# Altium PCB InterfaceS_V3_1.PcbDoc
Units mil, origin at the board's own origin, x right, y up, seen from the top; angles counter-clockwise.
Board outline 7087 x 1967 mil, 2 copper layers (Top Layer, Bottom Layer); 125 components, 95 nets, 365 pads, 41 vias.
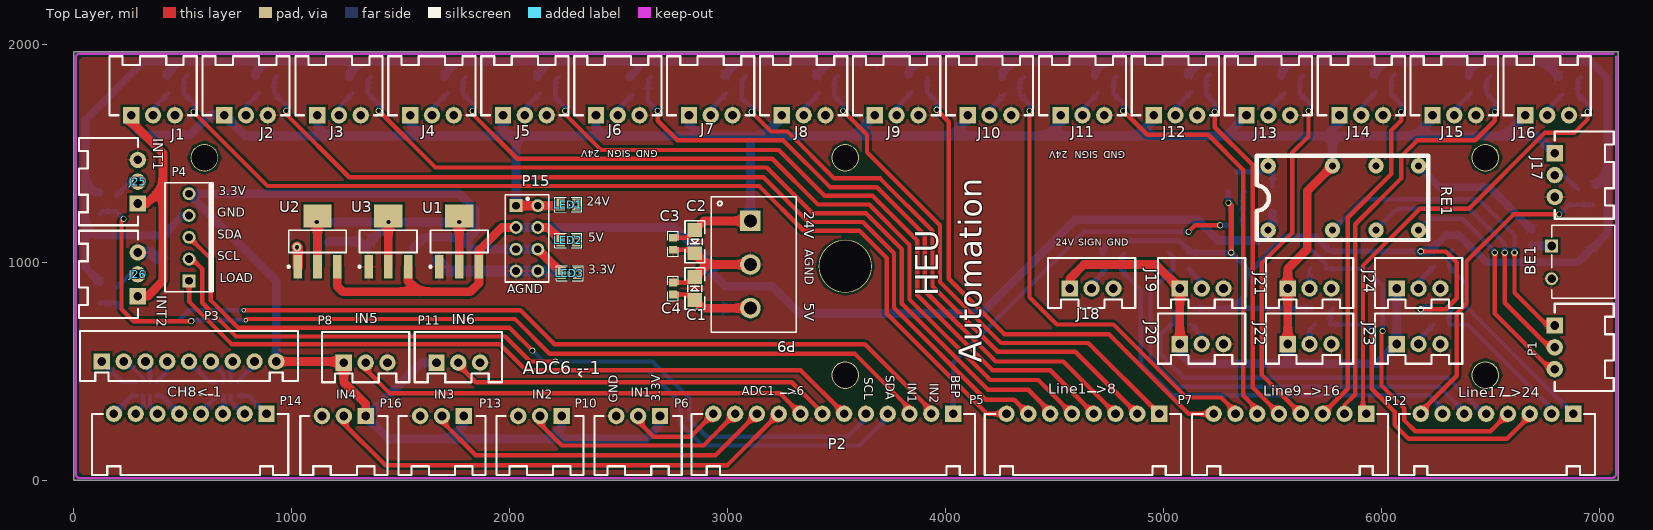
[diagram p0: Top Layer view]
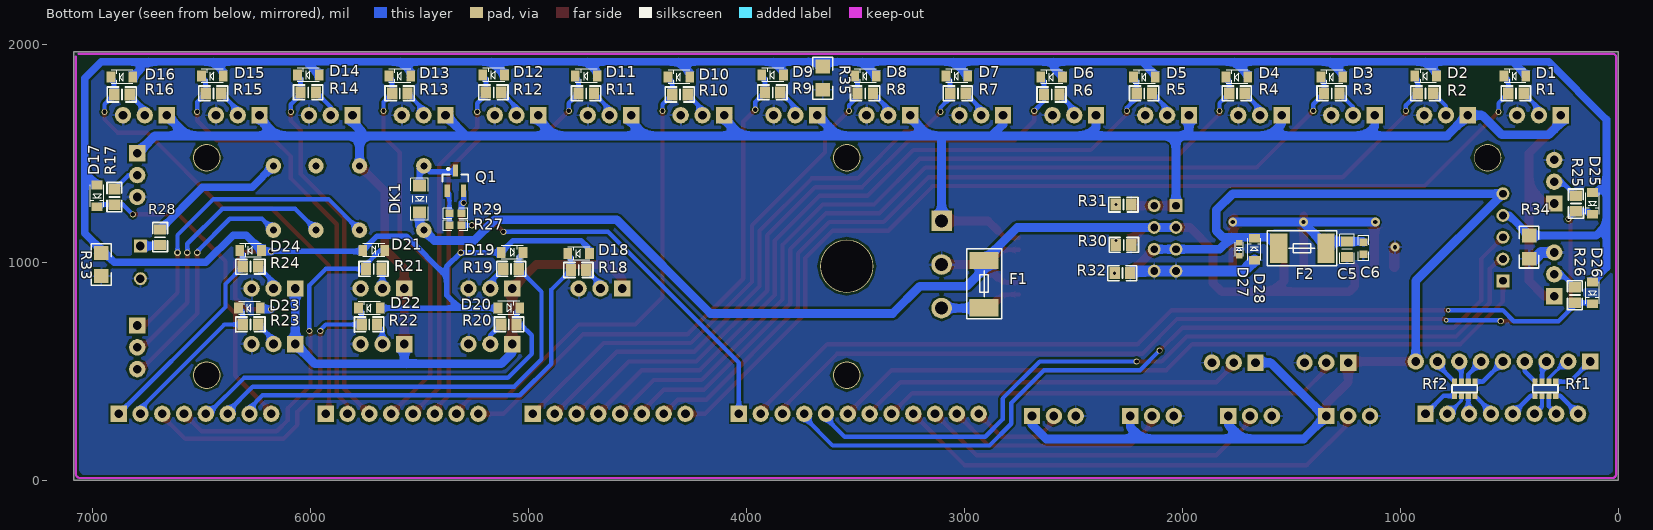
[diagram p1: Bottom Layer view, seen from below]
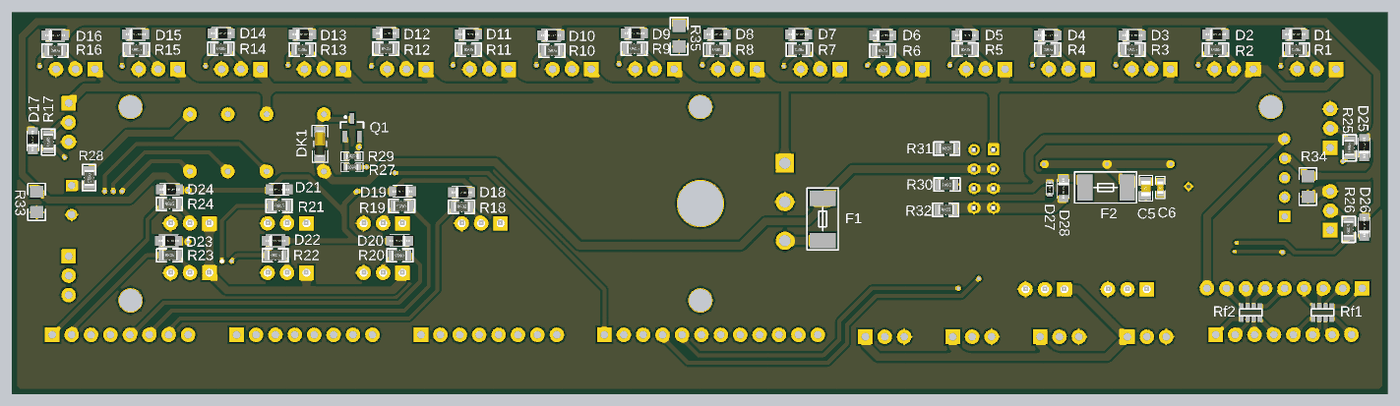
[diagram p2: 3D render of the assembled board from below, using the file's embedded part models]

## Layer stack, top to bottom
Top Solder: solder mask 0.4, Solder Resist, Dk 3.5
Top Layer: signal copper 1.4
Dielectric 1: dielectric 12.6, FR-4, Dk 4.8
Bottom Layer: signal copper 1.4
Bottom Solder: solder mask 0.4, Solder Resist, Dk 3.5

## Board outline
0,0 7087,0 7087,1967 0,1967

## Design rules (kind name [scope] priority, off if disabled: settings)
Clearance Clearance_RES [All vs HasFootprint('RES_FOUR_0603')] p1: gap=7
Clearance [All] p2: gap=10
HoleSize [All] p1: absolutevalues=TRUE maxlimit=800 minlimit=1 maxpercent=80.000 minpercent=20.000
MinimumSolderMaskSliver [All] p1: minsoldermaskwidth=8
PolygonConnect [All] p1: connectstyle=Relief reliefconductorwidth=10 reliefentries=4 polygonreliefangle="90 Angle" airgapwidth=10
RoutingCorners [All] p1: cornerstyle=45-Degree minsetback=20 maxsetback=500
RoutingVias [All] p1: holewidth=12 width=22 viastyle="Through Hole" minholewidth=11.8 minwidth=20 maxholewidth=28 maxwidth=50
SilkToSilkClearance [All] p1: silktosilkclearance=2
SilkToSolderMaskClearance [IsPad] p1: minsilkscreentomaskgap=2 clearancetoexposedcopper=TRUE
SolderMaskExpansion [All] p1: expansion=4
Width [All] p1: maxlimit=80 minlimit=8 preferedwidth=15
25 further rules are at their usual default settings.

## Components (designator, comment, footprint, x,y, rotation, side; value= is the part's Value field where it differs from the comment)
BE1 "POWER" H2_Push_out3.81 6780,1000 r270 top
C1 "Polar" CAP_1206 2850,880 r90 top
C2 "Polar" CAP_1206 2850,1095 r270 top
C3 "0603" CAP_0603_16*08 2750,1085 r270 top
C4 "0603" CAP_0603_16*08 2750,880 r270 top
C5 "Polar" CAP_0805_20*12 1245,1060 r270 bottom
C6 "0603" CAP_0603_16*08 1170,1065 r90 bottom
D1 "Zener/3.3" SOD323 475,1855 r0 bottom
D2 "Zener/3.3" SOD323 885,1855 r0 bottom
D3 "Zener/3.3" SOD323 1315,1850 r0 bottom
D4 "Zener/3.3" SOD323 1750,1850 r0 bottom
D5 "Zener/3.3" SOD323 2175,1850 r0 bottom
D6 "Zener/3.3" SOD323 2600,1850 r0 bottom
D7 "Zener/3.3" SOD323 3035,1855 r0 bottom
D8 "Zener/3.3" SOD323 3455,1855 r0 bottom
D9 "Zener/3.3" SOD323 3880,1860 r0 bottom
D10 "Zener/3.3" SOD323 4310,1850 r0 bottom
D11 "Zener/3.3" SOD323 4735,1855 r0 bottom
D12 "Zener/3.3" SOD323 5160,1860 r0 bottom
D13 "Zener/3.3" SOD323 5590,1855 r0 bottom
D14 "Zener/3.3" SOD323 6010,1860 r0 bottom
D15 "Zener/3.3" SOD323 6450,1855 r0 bottom
D16 "Zener/3.3" SOD323 6865,1850 r0 bottom
D17 "Zener/3.3" SOD323 6980,1305 r270 bottom
D18 "Zener/3.3" SOD323 4770,1040 r0 bottom
D19 "Zener/3.3" SOD323 5075,1045 r180 bottom
D20 "Zener/3.3" SOD323 5090,790 r180 bottom
D21 "Zener/3.3" SOD323 5710,1055 r180 bottom
D22 "Zener/3.3" SOD323 5730,790 r0 bottom
D23 "Zener/3.3" SOD323 6280,790 r0 bottom
D24 "Zener/3.3" SOD323 6275,1055 r0 bottom
D25 "Zener/3.3" SOD323 120,1270 r270 bottom
D26 "Zener/3.3" SOD323 120,860 r270 bottom
D27 "TVS/3.3V" SOD523 1740,1010 r90 bottom
D28 "Zener/3.3V" SOD323 1670,1060 r90 bottom
DK1 "Diode" Diode1206 5500,1290 r270 bottom
F1 "Fuse 1" FUSE3.5*5.5 2910,900 r90 bottom
F2 "Fuse 1" FUSE3.5*5.5 1450,1065 r0 bottom
J1 "Header 3" P3_OUT 365,1675 r0 top
J2 "Header 3" P3_OUT 791.33,1675 r0 top
J3 "Header 3" P3_OUT 1217.67,1675 r0 top
J4 "Header 3" P3_OUT 1644,1675 r0 top
J5 "Header 3" P3_OUT 2070.33,1675 r0 top
J6 "Header 3" P3_OUT 2496.67,1675 r0 top
J7 "Header 3" P3_OUT 2923,1675 r0 top
J8 "Header 3" P3_OUT 3349.33,1675 r0 top
J9 "Header 3" P3_OUT 3775.67,1675 r0 top
J10 "Header 3" P3_OUT 4202,1675 r0 top
J11 "Header 3" P3_OUT 4628.33,1675 r0 top
J12 "Header 3" P3_OUT 5054.67,1675 r0 top
J13 "Header 3" P3_OUT 5481,1675 r0 top
J14 "Header 3" P3_OUT 5907.33,1675 r0 top
J15 "Header 3" P3_OUT 6333.67,1675 r0 top
J16 "Header 3" P3_OUT 6760,1675 r0 top
J17 "Header 3" P3_OUT 6795,1400 r270 top
J18 "Header 3" P3 4670,880 r0 top
J19 "Header 3" P3 5175,880 r0 top
J20 "Header 3" P3 5175,625 r0 top
J21 "Header 3" P3 5670,880 r0 top
J22 "Header 3" P3 5670,625 r0 top
J23 "Header 3" P3 6170,625 r0 top
J24 "Header 3" P3 6170,880 r0 top
J25 "Header 3" P3_OUT 295,1370 r90 top
J26 "Header 3" P3_OUT 295,945 r90 top
LED1 "Green" LED_0805 2270.43,1265 r0 top
LED2 "Red" LED_0805 2270.43,1100.43 r0 top
LED3 "Blue" LED_0805 2275.43,950 r0 top
P1 "Header 3" P3_OUT 6795,610 r270 top
P2 "Header 12" P12_OUT 3525,525 r180 top
P3 "Header 9" P9 530,545 r0 top
P4 "Header 5" Header5_KF2510 530,1115 r90 top
P5 "Header 8" P8_OUT 4630,305 r180 top
P6 "Header 3" P3_OUT 2590,295 r180 top
P7 "Header 8" P8_OUT 5580,305 r180 top
P8 "Header 3" P3 1340,540 r0 top
P9 "Header 3" HEADER3_HC5.08 3105,1190 r270 top
P10 "Header 3" P3_OUT 2140,295 r180 top
P11 "Header 3" P3 1765,540 r0 top
P12 "Header 8" P8_OUT 6530,305 r180 top
P13 "Header 3" P3_OUT 1690,295 r180 top
P14 "Header 8" P8_OUT 535,305 r180 top
P15 "Header 4X2" HEADER2*4_PIN 2080,1110 r270 top
P16 "Header 3" P3_OUT 1240,295 r180 top
Q1 "NPN" SOT23_J3Y 5335,1375 r90 bottom
R1 "SMD" RES_0805_20*12 470,1775 r180 bottom
R2 "SMD" RES_0805_20*12 885,1775 r180 bottom
R3 "SMD" RES_0805_20*12 1315,1775 r180 bottom
R4 "SMD" RES_0805_20*12 1750,1775 r180 bottom
R5 "SMD" RES_0805_20*12 2175,1775 r180 bottom
R6 "SMD" RES_0805_20*12 2600,1770 r180 bottom
R7 "SMD" RES_0805_20*12 3030,1775 r180 bottom
R8 "SMD" RES_0805_20*12 3455,1775 r180 bottom
R9 "SMD" RES_0805_20*12 3880,1780 r180 bottom
R10 "SMD" RES_0805_20*12 4305,1770 r180 bottom
R11 "SMD" RES_0805_20*12 4735,1775 r180 bottom
R12 "SMD" RES_0805_20*12 5160,1780 r180 bottom
R13 "SMD" RES_0805_20*12 5590,1775 r180 bottom
R14 "SMD" RES_0805_20*12 6010,1780 r180 bottom
R15 "SMD" RES_0805_20*12 6445,1775 r180 bottom
R16 "SMD" RES_0805_20*12 6865,1770 r180 bottom
R17 "SMD" RES_0805_20*12 6900,1300 r90 bottom
R18 "SMD" RES_0805_20*12 4770,965 r180 bottom
R19 "SMD" RES_0805_20*12 5080,970 r0 bottom
R20 "SMD" RES_0805_20*12 5090,715 r0 bottom
R21 "SMD" RES_0805_20*12 5710,970 r180 bottom
R22 "SMD" RES_0805_20*12 5730,715 r180 bottom
R23 "SMD" RES_0805_20*12 6275,715 r180 bottom
R24 "SMD" RES_0805_20*12 6275,980 r180 bottom
R25 "SMD" RES_0805_20*12 195,1270 r90 bottom
R26 "SMD" RES_0805_20*12 200,850 r90 bottom
R27 "SMD" RES_0603_16*08 5335,1170 r0 bottom
R28 "SMD" RES_0805_20*12 6690,1115 r270 bottom
R29 "SMD" RES_0603_16*08 5335,1225 r180 bottom
R30 "SMD" RES_0805_20*12 2270,1080 r0 bottom
R31 "SMD" RES_0805_20*12 2270.43,1265 r180 bottom
R32 "SMD" RES_0805_20*12 2275.43,950 r180 bottom
R33 "SMD" RES_1206 6960,990 r90 bottom
R34 "SMD" RES_1206 410,1070 r90 bottom
R35 "SMD" RES_1206 3650,1845 r90 bottom
RE1 "RELAY_HK19F" Relay_HK19F 5825,1295 r0 top
Rf1 "100R" RES_FOUR_0603 335,420 r90 bottom
Rf2 "100R" RES_FOUR_0603 705,420 r90 bottom
U1 "AMS1117" SOT223_M 1769,1096 r90 top
U2 "AMS1117" SOT223_M 1119,1096 r90 top
U3 "AMS1117" SOT223_M 1444,1096 r90 top

## Footprints (in the part's own frame and the unit in brackets; to place one, negate y for a bottom-side part, rotate by r counter-clockwise, add the part's x,y. Pads: shape width x height; smd on the part's side, far side on the other; paste and mask are expansions set on the pad)
CAP_0603_16*08 [mm]
  rect 0.9x0.9 smd: 1(-0.7,0) 2(0.7,0)
  silkscreen extent -1.45,-0.61 1.42,0.61, body extent -1.31,-0.49 1.29,0.51, height 0.89
CAP_0805_20*12 [mm] "Chip Resistor, Body 2.0x1.2mm, IPC Medium Density"
  rect 1.2x1.4 smd: 1(-0.9,0) 2(0.9,0)
  silkscreen extent -1.72,-0.87 1.67,0.86, body extent -1.5,-0.69 1.5,0.71, height 0.93
CAP_1206 [mm] "Chip Capacitor, Body 3.2x1.6mm, IPC High Density"
  rect 1.6x1.7 smd: 1(-1.35,0) 2(1.35,0)
  silkscreen extent -2.44,-1.14 2.44,1.14, body extent -2.1,-0.87 2.1,0.93, height 0.95
Diode1206 [mil] "1N4148"
  rect 55x60 smd: 1(-62,0) 2(62,0)
  silkscreen extent -96,-41 96,40, body extent -70,-29 68,29, height 56
FUSE3.5*5.5 [mm] "5.6V/2.6A"
  rect 2x3.4 smd: 1(-2.75,0) 2(2.75,0)
  silkscreen extent -4.01,-2.03 4.12,2.03
H2_Push_out3.81 [mm]
  rect 1.5x1.5 hole 1: 1(-1.905,0)
  round 1.5 hole 1: 2(1.905,0)
  silkscreen extent -4.32,0 4.19,7.37
HEADER2*4_PIN [mm] "Connector; Header; 4x2 Position"
  rect 1.5x1.5 hole 0.9: 1(-3.81,-1.27)
  round 1.5 hole 0.9: 2(-1.27,-1.27) 3(1.27,-1.27) 4(3.81,-1.27) 5(-3.81,1.27) 6(-1.27,1.27) 7(1.27,1.27) 8(3.81,1.27)
  silkscreen extent -5.08,-2.54 5.08,2.54, body extent -5.05,-2.47 5.11,2.57, height 8.54
HEADER3_HC5.08 [mm]
  rect 2.4x2.4 hole 1.5: 1(0,0)
  round 2.4 hole 1.5: 2(5.08,0) 3(10.16,0)
  silkscreen extent -2.79,-4.59 12.95,5.32
Header5_KF2510 [mm]
  rect 1.5x1.5 hole 0.9: 1(-5.08,0)
  round 1.5 hole 0.9: 2(-2.54,0) 3(0,0) 4(2.54,0) 5(5.08,0)
  silkscreen extent -6.35,-2.79 6.35,2.79
LED_0805 [mm]
  rect 1x1.4 smd: 1(-0.9,0) 2(0.9,0)
  silkscreen extent -1.57,-0.87 1.57,0.86, body extent -0.94,-0.66 1.09,0.61, height 1.1
P3 [mil]
  rect 75x75 hole 40: 1(-100,0)
  round 75 hole 40: 2(0,0) 3(100,0)
  silkscreen extent -200,-90 200,140, body extent -195,-90 195,136, height 117
P3_OUT [mil]
  rect 75x75 hole 40: 1(-100,0)
  round 75 hole 40: 2(0,0) 3(100,0)
  silkscreen extent -200,0 200,270
P8_OUT [mil]
  rect 75x75 hole 40: 1(-350,0)
  round 75 hole 40: 2(-250,0) 3(-150,0) 4(-50,0) 5(50,0) 6(150,0) 7(250,0) 8(350,0)
  silkscreen extent -450,0 450,280
P9 [mil]
  rect 75x75 hole 40: 1(-400,0)
  round 75 hole 40: 2(-300,0) 3(-200,0) 4(-100,0) 5(0,0) 6(100,0) 7(200,0) 8(300,0) 9(400,0)
  silkscreen extent -500,-90 500,140
P12_OUT [mil]
  rect 75x75 hole 40: 1(-510,220)
  round 75 hole 40: 2(-410,220) 3(-310,220) 4(-210,220) 5(-110,220) 6(-10,220) 7(90,220) 8(190,220) 9(290,220) 10(390,220) 11(490,220) 12(590,220)
  silkscreen extent -610,220 690,500
Relay_HK19F [mm]
  round 1.8 hole 0.8: 1(-8.763,-3.746) 2(-1.27,-3.746) 3(3.81,-3.746) 4(8.763,-3.746) 5(8.763,3.746) 6(3.81,3.746) 7(-1.27,3.746) 8(-8.763,3.746)
  silkscreen extent -10.09,-4.89 9.91,4.91
RES_0603_16*08 [mm]
  rect 0.9x0.9 smd: 1(-0.7,0) 2(0.7,0)
  silkscreen extent -1.45,-0.61 1.42,0.61, body extent -0.77,-0.37 0.83,0.43, height 0.5
RES_0805_20*12 [mm] "Chip Resistor, Body 2.0x1.2mm, IPC Medium Density"
  rect 1.2x1.4 smd: 1(-0.9,0) 2(0.9,0)
  silkscreen extent -1.72,-0.87 1.67,0.86, body extent -0.97,-0.6 1.03,0.66, height 0.68
RES_1206 [mm]
  rect 1.6x1.7 smd: 1(-1.35,0) 2(1.35,0)
  silkscreen extent -2.44,-1.14 2.44,1.14
RES_FOUR_0603 [mil]
  rect 30x23.62 smd: 1(-32.5,47.24) 2(-32.5,15.75) 3(-32.5,-15.75) 4(-32.5,-47.24) 5(32.5,-47.24) 6(32.5,-15.75) 7(32.5,15.75) 8(32.5,47.24)
  silkscreen extent -18,-58 18,58
SOD323 [mil] "Zener Doide"
  rect 40x50 smd: 1(-50,0) 2(50,0)
  silkscreen extent -50,-30 50,31, body extent -51,-26 51,26, height 39
SOD523 [mil]
  rect 25x30 smd: 1(20,0) 2(80,0)
  silkscreen extent 18,-19 82,19, body extent 18,-16 81,16, height 26
SOT23_J3Y [mm] "SOT23, 3-Leads, Body 2.9x1.3mm, Pitch 0.95mm, Lead Span 2.3mm - Reverse Pinning, IPC Low Density"
  rect 1.45x0.6 smd: 1(1.175,0) 2(-1.175,0.95) 3(-1.175,-0.95)
  silkscreen extent -0.1,-1.5 1.47,1.5
SOT223_M [mm] "SOT223, 4-Leads, Body 6.5x3.5mm, Pitch 2.3mm, Lead Span 7mm, IPC Low Density"
  rect 2.7x1 smd: 1(-2.95,2.3) 2(-2.95,0) 3(-2.95,-2.3)
  rect 2.7x3.3 smd: 4(2.95,0)
  silkscreen extent -3.07,-3.35 1.3,3.47, body extent -3.56,-3.25 3.4,3.25, height 1.73

## Part data
BE1: library part HEAD2
C1 C2 C5: library part "Cap Pol", "Polarized Capacitor (Axial)"
C3 C4 C6: library part Cap, "Capacitor"
D1 D2 D3 D4 D5 D6 D7 D8 D9 D10 D11 D12 D13 D14 D15 D16 D17 D18 D19 D20 D21 D22 D23 D24 D25 D26 D27 D28: library part "D Zener", "Zener Diode"
DK1: "Default Diode"
F1 F2: "Fuse"
J1 J2 J3 J4 J5 J6 J7 J8 J9 J10 J11 J12 J13 J14 J15 J16 J17 J18 J19 J20 J21 J22 J23 J24 J25 J26 P1 P6 P8 P9 P10 P11 P13 P16: "Header, 3-Pin"
LED1 LED2 LED3: library part LED, "Typical RED, GREEN, YELLOW, AMBER GaAs LED"
P2: "Header, 12-Pin"
P3: "Header, 9-Pin"
P4: "Header, 5-Pin"
P5 P7 P12 P14: "Header, 8-Pin"
P15: "Header, 4-Pin, Dual row"
Q1: "NPN Bipolar Transistor"
R1 R2 R3 R4 R5 R6 R7 R8 R9 R10 R11 R12 R13 R14 R15 R16 R17 R18 R19 R20 R21 R22 R23 R24 R25 R26 R27 R28 R29 R30 R31 R32 R33 R34 R35: library part RES_SMD, "Resistor"
Rf1 Rf2: library part RES_4P

## Free pads (board coordinates)
  round 244.09 hole 236.22: 0(3540,982)
  round 125.98 hole 118.11: 2(600.55,1480) 3(6476.38,1480) 4(6476.38,482.44) 5(3540,1480) 6(3540,482.44)

## Via types
v1: diameter 28, hole 20, Top Layer to Bottom Layer, 26 vias
v2: diameter 30, hole 20, Top Layer to Bottom Layer, 6 vias
v3: diameter 40, hole 20, Top Layer to Bottom Layer, 4 vias
v4: diameter 23, hole 14, Top Layer to Bottom Layer, 3 vias
v5: diameter 20, hole 12, Top Layer to Bottom Layer, 2 vias

## Nets (pads, with @x,y where several pads share a name; then routed paths per layer and width w, separated by ;. In a path a pad name is that pad's centre, name@x,y a point inside that pad or via, vN(x,y) a via of type N, cw(c..) or ccw(c..) an arc to the next point about the centre after c; other vN are vias at no path point)
595LOAD: P2.6 P4.1 | length 3313.3
  Top Layer w20: P4.1 530,820 725,625 1955,625 2075,505 3335,505 P2.6
595SCL: P2.5 P4.2 | length 3644.2
  Top Layer w20: P4.2 545,1015 590,970 590,815 745,660 1980,660 2095,545 v1(2210,545)
  Bottom Layer w20: v1(2210,545) 2655,545 2825,375 2825,280 2905,200 3550,200 3635,285 P2.5
595SDK: P2.4 P4.3 | length 3836.4
  Top Layer w20: P4.3 630,1015 630,825 755,700 2000,700 v1(2105,595)
  Bottom Layer w20: v1(2105,595) 2195,505 2635,505 2785,355 2785,260 2885,160 3605,160 3735,290 P2.4
ADC1: P2.12 P6.2 | length 452.8
  Top Layer w20: P6.2 2577.5,282.5 2660,200 2830,200 P2.12
ADC2: P2.11 P10.2 | length 1031.5
  Top Layer w20: P10.2 2140,260 2240,160 2890,160 P2.11
ADC3: P2.10 P13.2 | length 1612.9
  Top Layer w20: P13.2 1690,270 1845,115 2945,115 P2.10
ADC4: P2.9 P16.2 | length 2206
  Top Layer w20: P16.2 1240,260 1430,70 3000,70 P2.9
ADC5: P2.8 P8.2 | length 2109.9
  Top Layer w20: P8.2 1340,510 1450,400 3240,400 P2.8
ADC6: P2.7 P11.2 | length 1735.8
  Top Layer w20: P11.2 1765,530 1845,450 3295,450 3410,335
AGND: BE1.2 C1.2 C2.2 C3.2 C4.1 C5.2 C6.1 D27.1 D28.1 J1.3 J2.3 J3.3 J4.3 J5.3 J6.3 J7.3 J8.3 J9.3 J10.3 J11.3 J12.3 J13.3 J14.3 J15.3 J16.3 J17.3 J18.3 J19.3 J20.3 J21.3 J22.3 J23.3 J24.3 J25.3 J26.3 P6.3 P8.3 P9.2 P10.3 P11.3 P13.3 P15.4 P15.8 P16.3 R30.1 R31.2 R32.2 R33.1 R34.1 R35.1 U1.1 U2.1 U3.1 | length 1380.8
  Top Layer w20: C4.1 2824.41,907.56 C1.2 ; C3.2 2834.41,1057.44 C2.2
  Top Layer w40: C1.2 2901.85,985 2901.85,990 ; C2.2 2901.85,990 ; P9.2 2901.85,990
  Top Layer w50: v3(1025,1070) 1028.45,1066.55 U2.1
  Bottom Layer w50: J26.3 355,1045 383.15,1016.85 R34.1 ; D28.1 1720,960 P15.4 P15.8 R32.2@2230,960 ; P9.2 P9.2@3115,990
BEEP: P2.1 R27.1 | length 1768.4
  Top Layer w20: v1(5115,1140) 5145,1170 v1(5260,1170)
  Bottom Layer w20: P2.1 4035,540 4635,1140 v1(5115,1140) ; v1(5260,1170) R27.1
CH1: P3.8 Rf2.8 | length 124.7
  Bottom Layer w20: Rf2.8 830,530.26 P3.8
CH2: P3.7 Rf2.7 | length 96.3
  Bottom Layer w20: Rf2.7 720.75,535.75 P3.7
CH3: P3.6 Rf2.6 | length 117
  Bottom Layer w20: P3.6 689.25,485.75 Rf2.6
CH4: P3.5 Rf2.5 | length 166.1
  Bottom Layer w20: P3.5 622.5,452.5 Rf2.5
CH5: P3.4 Rf1.8 | length 112.3
  Bottom Layer w20: Rf1.8 430,500.26 P3.4
CH6: P3.3 Rf1.7 | length 101.1
  Bottom Layer w20: P3.3 350.75,524.25 Rf1.7
CH7: P3.2 Rf1.6 | length 136.8
  Bottom Layer w15: P3.2@240,545 242.57,545 319.25,468.32 Rf1.6
  Bottom Layer w20: P3.2 P3.2@240,545
CH8: P3.1 Rf1.5 | length 196.1
  Bottom Layer w20: P3.1 222.5,452.5 Rf1.5
GND: D1.1 D2.1 D3.1 D4.1 D5.1 D6.1 D7.1 D8.1 D9.1 D10.1 D11.1 D12.1 D13.1 D14.1 D15.1 D16.1 D17.1 D18.1 D19.1 D20.1 D21.1 D22.1 D23.1 D24.1 D25.1 D26.1 P4.4 Q1.3 R29.2 R33.2 R34.2 R35.2 | length 14998.7
  Top Layer w20: v2(6180,785) 6295,785 6345,835 6345,1000 6295,1050 v2(6180,1050)
  Top Layer w25: v1(5297.44,1272.76) 5310,1260.2 v2(5310,1045)
  Bottom Layer w25: D18.1 4720,1060 4760,1100 5070,1100 D19.1 v2(5310,1045) 5375,980 5375,850 5315,790 ; D20.1 5315,790 ; Q1.3@5297.6,1323.74 5297.6,1282.6 5307.44,1272.76 R29.2@5307.44,1235 ; 5375,935 5560,1120 5695,1120 D21.1 ; D22.1 5315,790 ; D21.1@5770,1050 v2(6180,1050)
  Bottom Layer w35: D26.1 55,975 55,1170 ; D25.1 100,1320 55,1365 ; D1.1 425,1860 480,1915 ; P4.4 501.85,1215 R34.2 101.85,1123.15 55,1170 ; D2.1 835,1870 885,1920 ; D3.1 1265,1865 1320,1920 ; D4.1 1700,1860 1760,1920 ; D5.1 2125,1860 2185,1920 2590,1920 ; 2180,1915 2175,1920 1760,1920 ; D6.1 2590,1890 2590,1920 ; D7.1 3050,1920 ; D8.1 3470,1920 ; D9.1 3830,1875 3875,1920 ; D10.1 4260,1870 4310,1920 ; D11.1 4685,1875 4730,1920 ; D12.1 5170,1920 ; D13.1 5540,1875 5585,1920 ; D14.1 6010,1910 6010,1920 ; v2(6180,785) 6220,785 D23.1@6225,790 ; v2(6180,1050) 6220,1050 D24.1 6295,1125 6355,1125 6480,1000 6900,1000 6910,1010 6911.85,1010 7035,1133.15 7035,1410 ; D15.1 6400,1875 6445,1920 ; D16.1 6745,1920 ; D17.1 7035,1410 ; 55,1170 55,1365 ; 55,1365 55,1655 320,1920 885,1920 ; 885,1920 1320,1920 ; 1320,1920 1760,1920 ; 2590,1920 3050,1920 ; 3050,1920 3470,1920 ; 3470,1920 3875,1920 ; 3875,1920 4310,1920 ; 4310,1920 4730,1920 ; 4730,1920 5170,1920 ; 5170,1920 5585,1920 ; 5585,1920 6010,1920 ; 6010,1920 6445,1920 ; 6445,1920 6745,1920 ; 6745,1920 6960,1920 7035,1845 7035,1410
INT1: D25.2 P2.3 R25.1 | length 4393.2
  Top Layer w20: v1(230,1199.57) 220,1189.57 220,785 275,730 v1@533.05,730 ; v5(790,735) 795,740 2025,740 2185,580 3585,580 3835,330 P2.3 P2.3@3825,295
  Bottom Layer w20: D25.2 134.57,1234.57 R25.1 v1(230,1199.57) ; v1(540,730) 545,735 v5(790,735)
INT2: D26.2 P2.2 R26.1 | length 4095
  Top Layer w20: v5(780,780) 2049.85,780 2204.85,625 3630,625 3940,315 3930,305 P2.2@3930,300
  Bottom Layer w20: D26.2 124.57,814.57 R26.1 200,805 275,730 480,730 530,780 v5(780,780)
LINE1: D1.2 P5.8 R1.1 | length 4649.6
  Top Layer w20: v1(550,1690) 890,1350 3145,1350 3350,1145 3605,1145 3730,1020 3730,765 4190,305 P5.8
  Bottom Layer w20: D1.2@525,1860 505.43,1840.43 R1.1 550,1730.43 v1(550,1690)
LINE2: D2.2 P5.7 R2.1 | length 4324.6
  Top Layer w20: v1(975,1695) 975,1680 1265,1390 3165,1390 3370,1185 3620,1185 3763.71,1041.29 3763.71,791.29 4185,370 4315,370 P5.7
  Bottom Layer w20: D2.2 920.43,1840.43 R2.1 975,1720.43 v1(975,1695)
LINE3: D3.2 P5.6 R3.1 | length 3979.6
  Top Layer w20: v1(1400,1695) 1660,1435 3180,1435 3390,1225 3635,1225 3800,1060 3800,810 4195,415 4380,415 P5.6@4480,315
  Bottom Layer w20: D3.2 1350.43,1835.43 R3.1 1400,1725.43 v1(1400,1695)
LINE4: D4.2 P5.5 R4.1 | length 3660.5
  Top Layer w20: v1(1830,1695) 1830,1680 2035,1475 3205,1475 3415,1265 3650,1265 3835,1080 3835,830 4205,460 4425,460 P5.5
  Bottom Layer w20: D4.2 1785.43,1835.43 R4.1 1830,1730.43 v1(1830,1695)
LINE5: D5.2 P5.4 R5.1 | length 3335.5
  Top Layer w20: v1(2255,1695) 2255,1680 2420,1515 3235,1515 3445,1305 3665,1305 3870,1100 3870,850 4215,505 4480,505 P5.4
  Bottom Layer w20: D5.2 2210.43,1835.43 R5.1 2210.43,1754.57 2255,1710 v1(2255,1695)
LINE6: D6.2 P5.3 R6.1 | length 3031
  Top Layer w20: v1(2680,1695) 2680,1650 2770,1560 3255,1560 3470,1345 3685,1345 3905,1125 3905,870 4230,545 4540,545 P5.3
  Bottom Layer w20: D6.2 2635.43,1835.43 R6.1 2635.43,1739.57 v1(2680,1695)
LINE7: D7.2 P5.2 R7.1 | length 2684.6
  Top Layer w20: v1(3110,1690) 3200,1600 3275,1600 3490,1385 3700,1385 3940,1145 3940,890 4240,590 4595,590 P5.2
  Bottom Layer w20: D7.2 3065.43,1835.43 R7.1 3065.43,1754.57 3110,1710 v1(3110,1690)
LINE8: D8.2 P5.1 R8.1 | length 2407.3
  Top Layer w20: v1(3530,1695) 3640,1585 3640,1505 3975,1170 3975,910 4255,630 4655,630 P5.1
  Bottom Layer w20: D8.2 3490.43,1840.43 R8.1 3490.43,1759.57 3530,1720 v1(3530,1695)
LINE9: D9.2 P7.8 R9.1 | length 2433.5
  Top Layer w20: v1(3960,1700) 4015,1645 4015,925 4270,670 4750,670 5115,305 P7.8
  Bottom Layer w20: D9.2@3915.43,1845.43 R9.1 3960,1735.43 v1(3960,1700)
LINE10: D10.2 P7.7 R10.1 | length 2185.7
  Top Layer w20: v1(4385,1695) 4385,840 4510,715 4770,715 5105,380 5265,380 5310,335 P7.7@5310,320
  Bottom Layer w20: D10.2 4340.43,1830.43 R10.1 4385,1725.43 v1(4385,1695)
LINE11: D11.2 P7.6 R11.1 | length 1993.3
  Top Layer w20: v1(4815,1695) 4925,1585 5205,1585 5365,1425 5365,390 5430,325 P7.6
  Bottom Layer w20: D11.2 4770.43,1840.43 R11.1 4815,1730.43 v1(4815,1695)
LINE12: D12.2 P7.5 R12.1 | length 1705.5
  Top Layer w20: v1(5235,1690) 5235,1620 5410,1445 5410,425 5520,315 P7.5@5540,315
  Bottom Layer w20: D12.2 5195.43,1845.43 R12.1 5195.43,1769.57 5235,1730 v1(5235,1690)
LINE13: D13.2 P7.4 R13.1 | length 1736
  Top Layer w20: P7.4 5450,485 5450,995 5590,1135 5590,1502.5 5665,1577.5 v1(5665,1695)
  Bottom Layer w20: D13.2 5625.43,1840.43 R13.1 5665,1735.43 v1(5665,1695)
LINE14: D14.2 P7.3 R14.1 | length 1728.6
  Top Layer w20: P7.3 5845,420 5845,1205 6045,1405 6045,1605 6090,1650 v1(6090,1690)
  Bottom Layer w20: D14.2 6045.43,1845.43 R14.1 6045.43,1769.57 6090,1725 v1(6090,1690)
LINE15: D15.2 P7.2 R15.1 | length 2015.5
  Top Layer w20: P7.2 5830,345 5880,395 5880,1175 6090,1385 6090,1485 6165,1560 6430,1560 6520,1650 v1(6520,1690)
  Bottom Layer w20: D15.2 6480.43,1835.43 R15.1 6520,1735.43 v1(6520,1690)
LINE16: D16.2 P7.1 R16.1 | length 2213.2
  Top Layer w20: P7.1 5915,320 5915,985 6175,1245 6400,1245 6750,1595 6885,1595 6945,1655 v1(6945,1690)
  Bottom Layer w20: D16.2 6900.43,1835.43 R16.1 6945,1725.43 v1(6945,1690)
LINE17: D17.2 P12.8 R17.1 | length 1474.9
  Top Layer w20: P12.8 6180,315 6345,480 6345,765 6390,810 6390,1005 6605,1220 v1(6815,1220)
  Bottom Layer w20: v1(6815,1220) 6859.57,1264.57 R17.1 D17.2@6970.43,1264.57
LINE18: D18.2 P12.7 R18.1 | length 2043
  Bottom Layer w20: D18.2 4805.43,1025.43 R18.1 4895,875.43 4895,535 5040,390 6220,390 6280,330 P12.7
LINE19: D19.2 P12.6 R19.1 | length 2090.8
  Bottom Layer w20: D19.2 5044.57,1025.43 R19.1 4940,865.43 4940,555 5065,430 6265,430 6380,315 P12.6
LINE20: D20.2 P12.5 R20.1 | length 1844.6
  Bottom Layer w20: D20.2@5054.57,775.43 R20.1 5035,715 4985,665 4985,580 5095,470 6305,470 6470,305 P12.5
LINE21: D21.2 P12.4 R21.1 | length 1607.6
  Top Layer w20: v1(6005,685) 6000,680 6000,435 6105,330 6105,275 6155,225 6500,225 P12.4
  Bottom Layer w20: D21.2 5680,1055 5745.43,989.57 R21.1 ; R21.1@5755,970 5930,970 6005,895 v1(6005,685)
LINE22: D22.2 P12.3 R22.1 | length 1462.4
  Top Layer w20: v1(5955,685) 5955,420 6060,315 6060,255 6125,190 6575,190 6680,295 P12.3
  Bottom Layer w20: R22.1 5765.43,775.43 D22.2 ; R22.1@5770,715 5930,715 5960,685 v1(5955,685)
LINE23: D23.2 P12.2 R23.1 | length 735.1
  Bottom Layer w20: D23.2@6325,790 6310.43,775.43 R23.1 6395,715 6780,330 P12.2
LINE24: D24.2 P12.1 R24.1 | length 992
  Bottom Layer w20: D24.2 6310.43,1040.43 R24.1 6390,900.43 6390,795 P12.1
NetBE1_1: BE1.1 R28.2 | length 91.9
  Bottom Layer w35: R28.2 6694.57,1075 BE1.1
NetC1_1: C1.1 C4.2 F1.1 P9.3 | length 574.1
  Top Layer w20: C4.2 2824.41,852.44 C1.1
  Top Layer w40: C1.1 2886.85,790 P9.3
  Bottom Layer w40: F1.1@2911.73,790 P9.3
NetC5_1: C5.1 C6.2 F2.1 U1.2 U1.4 U2.2 U2.4 U3.2 U3.4 | length 1660.9
  Top Layer w40: U2.2 U2.4@1119,1175 ; U3.2 U3.4 ; U1.4@1761.86,1205 1769,1197.86 U1.2
  Bottom Layer w40: v3(1115,1185) v3(1445,1185) v3@1450,1185 ; C6.2 1172.87,1095.43 C5.1 1311.3,1095.43 F2.1 1341.73,1076.73 v3@1450,1185 ; v3(1770,1185) v3@1450,1185
NetDK1_1: DK1.1 Q1.1 RE1.8 | length 254.7
  Bottom Layer w25: Q1.1@5335,1416.26 5453.76,1416.26 RE1.8 5500,1422.5 DK1.1
NetJ1_2: J1.2 R1.2 | length 128.8
  Bottom Layer w20: J1.2 365,1705.43 R1.2
NetJ2_2: J2.2 R2.2 | length 124.1
  Bottom Layer w20: J2.2 791.33,1716.77 R2.2
NetJ3_2: J3.2 R3.2 | length 125.6
  Bottom Layer w20: J3.2 1217.67,1713.1 R3.2
NetJ4_2: J4.2 R4.2 | length 129.2
  Bottom Layer w20: J4.2 1644,1704.43 R4.2
NetJ5_2: J5.2 R5.2 | length 128.7
  Bottom Layer w20: J5.2 2070.33,1705.77 R5.2
NetJ6_2: J6.2 R6.2 | length 123.1
  Bottom Layer w20: J6.2 2496.67,1702.1 R6.2
NetJ7_2: J7.2 R7.2 | length 129.6
  Bottom Layer w20: J7.2 2923,1703.43 R7.2
NetJ8_2: J8.2 R8.2 | length 129.1
  Bottom Layer w20: J8.2 3349.33,1704.77 R8.2
NetJ9_2: J9.2 R9.2 | length 133.5
  Bottom Layer w20: J9.2 3775.67,1711.1 R9.2
NetJ10_2: J10.2 R10.2 | length 123
  Bottom Layer w20: J10.2 4202,1702.43 R10.2
NetJ11_2: J11.2 R11.2 | length 129.5
  Bottom Layer w20: J11.2 4628.33,1703.77 R11.2
NetJ12_2: J12.2 R12.2 | length 134
  Bottom Layer w20: J12.2 5054.67,1710.1 R12.2
NetJ13_2: J13.2 R13.2 | length 130.5
  Bottom Layer w20: J13.2 5481,1701.43 R13.2
NetJ14_2: J14.2 R14.2 | length 132.8
  Bottom Layer w20: J14.2 5907.33,1712.77 R14.2
NetJ15_2: J15.2 R15.2 | length 131.4
  Bottom Layer w20: J15.2 6333.67,1699.1 R15.2
NetJ16_2: J16.2 R16.2 | length 123.8
  Bottom Layer w15: J16.2 J16.2@6760,1700.43
  Bottom Layer w20: J16.2@6760,1700.43 R16.2
NetJ17_2: J17.2 R17.2 | length 131.7
  Bottom Layer w20: J17.2 6835.43,1400 R17.2
NetJ18_2: J18.2 R18.2 | length 111.7
  Bottom Layer w20: J18.2 4670,900.43 R18.2
NetJ19_2: J19.2 R19.2 | length 114.7
  Bottom Layer w20: R19.2 5175,910.43 J19.2
NetJ20_2: J20.2 R20.2 | length 110.5
  Bottom Layer w20: R20.2 5175,665.43 J20.2
NetJ21_2: J21.2 R21.2 | length 91.9
  Bottom Layer w20: J21.2 5670,965.43 R21.2
NetJ22_2: J22.2 R22.2 | length 100.2
  Bottom Layer w20: J22.2 5670,690.43 R22.2
NetJ23_2: J23.2 R23.2 | length 118.8
  Bottom Layer w20: J23.2 6170,645.43 R23.2
NetJ24_2: J24.2 R24.2 | length 128.8
  Bottom Layer w20: J24.2 6170,910.43 R24.2
NetJ25_2: J25.2 R25.2 | length 126.7
  Bottom Layer w20: R25.2 259.57,1370 J25.2
NetJ26_2: J26.2 R26.2 | length 119.7
  Bottom Layer w20: R26.2 259.57,945 J26.2
NetLED1_2: LED1.2 R31.1
  other v4: 2305.87,1265
NetLED2_2: LED2.2 R30.2
  other v4: 2305.87,1100.43
NetLED3_2: LED3.2 R32.1
  other v4: 2310.87,950
NetP1_1: P1.1 RE1.2 | length 1474.5
  Top Layer w20: v2(6610,1045) 6610,860 6760,710 P1.1
  Bottom Layer w20: RE1.2 5917.5,1290 6445,1290 6610,1125 v2(6610,1045)
NetP1_2: P1.2 RE1.3 | length 1278
  Top Layer w20: v2(6565,1045) 6565,815 6770,610 P1.2
  Bottom Layer w20: RE1.3 5975,1150 6070,1245 6405,1245 6565,1085 v2@6565,1050
NetP1_3: P1.3 RE1.4 | length 1099.5
  Top Layer w20: v2(6520,1045) 6520,765 6775,510 P1.3
  Bottom Layer w20: RE1.4 6222.5,1200 6370,1200 6520,1050 v2(6520,1045)
NetP14_1: P14.1 Rf2.1 | length 159.2
  Bottom Layer w20: Rf2.1@760,387.5 802.5,387.5 P14.1
NetP14_2: P14.2 Rf2.2 | length 115.8
  Bottom Layer w15: Rf2.2 720.75,364.25 780,305 P14.2
  Bottom Layer w20: Rf2.2 Rf2.2@723.43,384.82
NetP14_3: P14.3 Rf2.3 | length 100.5
  Bottom Layer w20: P14.3@669.25,320.75 P14.3 ; P14.3@689.25,309.25 Rf2.3
NetP14_4: P14.4 Rf2.4 | length 112.6
  Bottom Layer w20: P14.4 585,314.74 Rf2.4
NetP14_5: P14.5 Rf1.1 | length 136.9
  Bottom Layer w20: Rf1.1 402.5,387.5 P14.5
NetP14_6: P14.6 Rf1.2 | length 96.7
  Bottom Layer w20: Rf1.2 350.75,339.25 P14.6
NetP14_7: P14.7 Rf1.3 | length 96.7
  Bottom Layer w20: P14.7 319.25,339.25 Rf1.3
NetP14_8: P14.8 Rf1.4 | length 136.9
  Bottom Layer w20: P14.8 267.5,387.5 Rf1.4
NetQ1_2: Q1.2 R27.2 R29.1 | length 157.8
  Bottom Layer w20: R27.2 5362.56,1313.9 Q1.2@5372.4,1323.74
NetR28_1: R28.1 RE1.5 | length 641
  Bottom Layer w35: RE1.5 6267.5,1345 6495.43,1345 R28.1
VCC3.3: D27.2 D28.2 F2.2 LED3.1 P3.9 P4.5 P6.1 P8.1 P10.1 P11.1 P13.1 P15.3 P15.7 P16.1 | length 5975.1
  Top Layer w40: P3.9 1235,545 P8.1 1240,450 1340,350 P16.1 ; P15.7 LED3.1
  Bottom Layer w40: P3.9 930,915 P4.5 1770,1315 1845,1240 1845,1145 1815,1115 1775,1115 ; F2.2 1608.27,1115 1775,1115 ; P11.1 1595,540 1350,295 P16.1 1445,190 1725,190 ; P13.1 1790,255 1725,190 ; P15.7 P15.3 1830,1060 1775,1115 ; P10.1 2240,245 2185,190 ; P6.1 2690,255 2625,190 2185,190 ; 1725,190 2185,190
VCC5: DK1.2 F1.2 LED2.1 P15.2 P15.6 RE1.1 U1.3 U2.3 U3.3 | length 5357.8
  Top Layer w40: U2.3 1209.55,890.45 1235,865 1585,865 ; U3.3 1534.55,915.45 1585,865 ; P15.2 1965,1160 1859.55,1054.55 U1.3 1859.55,904.55 1820,865 1585,865 ; P15.6 2175.43,1160 LED2.1
  Bottom Layer w40: P15.2 P15.6 2758.27,1160 F1.2 2910,970 2990,890 3205,890 3330,765 4165,765 4595,1195 5155,1195 5250,1100 5432.5,1100 RE1.1 5500,1167.5 DK1.2
VCC24: C2.1 C3.1 J1.1 J2.1 J3.1 J4.1 J5.1 J6.1 J7.1 J8.1 J9.1 J10.1 J11.1 J12.1 J13.1 J14.1 J15.1 J16.1 J17.1 J18.1 J19.1 J20.1 J21.1 J22.1 J23.1 J24.1 J25.1 J26.1 LED1.1 P9.1 P15.1 P15.5 RE1.7 | length 14192.5
  Top Layer w20: C3.1 2814.41,1112.56 C2.1
  Top Layer w40: J1.1 265,1645 410,1500 410,1345 ; J26.1 340,845 410,915 410,1345 ; J25.1 335,1270 410,1345 ; P15.1 P15.5 2230,1260 LED1.1 ; C2.1 2891.85,1190 P9.1 ; J18.1 4570,925 4635,990 4965,990 J19.1 J20.1 ; J22.1 J21.1 5570,970 5660,1060 5660,1327.5 RE1.7
  Bottom Layer w40: J1.1 265,1640 320,1585 535,1585 625,1675 J2.1 786.33,1580 1160,1580 ; J25.1 J25.1@310,1285 ; J3.1 1117.67,1622.33 1160,1580 ; J4.1 1544,1636 1600,1580 ; J5.1 1970.33,1599.67 1990,1580 ; P15.1 2030,1580 ; J6.1 2396.67,1618.33 2435,1580 ; J7.1 2823,1632 2872.5,1582.5 ; P9.1 3105,1575 ; J8.1 3249.33,1664.33 3165,1580 ; J9.1 3580.67,1580 ; J10.1 4102,1657 4025,1580 ; J11.1 4528.33,1643.33 4465,1580 ; J12.1 4954.67,1654.67 4880,1580 ; J20.1 5075,585 5125,535 5560,535 ; J13.1 5295,1589 5295,1580 ; J22.1 5570,545 5560,535 ; RE1.7@5775,1445 5775,1580 ; J14.1 5807.33,1642.33 5762.5,1597.5 5775,1585 5775,1580 ; J24.1 J23.1 5980,535 5560,535 ; J15.1 6233.67,1658.67 6155,1580 ; J16.1 6565,1580 ; J17.1 6715,1580 6565,1580 ; 1160,1580 1600,1580 ; 1600,1580 1990,1580 ; 1990,1580 2030,1580 ; 2030,1580 2435,1580 ; 2435,1580 3165,1580 ; 3165,1580 3580.67,1580 ; 3580.67,1580 4025,1580 ; 4025,1580 4465,1580 ; 4465,1580 4880,1580 ; 4880,1580 5295,1580 ; 5295,1580 5775,1580 ; 5775,1580 6155,1580 ; 6155,1580 6565,1580
pads on no net: RE1.6

## Polygon pours and split planes (outlines as drawn)
AGND on Bottom Layer "Bottom Layer-No Net" (solid, remove dead copper, pour order 10): -105,2080 7130,2080 7290,1920 7155,1785 7155,-110 15,-110 -35,-60
AGND on Top Layer "Bottom Layer-No Net" (solid, remove dead copper, pour order 12): -130,2050 7220,2050 7220,0 7120,-100 -115,-100

## Keep-outs
Keep-Out Layer:
  lines w10: 7063,1957 28.32,1957 ccw(c28.32,1938.68) 10,1938.68 10,30 ccw(c30,30) 30,10 7055,10 ccw(c7055,32) 7077,32 7077,1943

## Silkscreen, mask and mechanical layers (free items; w line width, h text height)
Top Overlay:
  lines w7: 577,392 642,392 ; 3241,399 3314,399 ; 4652,406 4709,406 ; 5646,398 5699,398 ; 6556,389 6616,389
  lines w8: 2317.5,487.5 2330,500 ; 2320,485 2330,475
  text "INT1" at 350,1570 h80 r270
  text "24V" at 2415,1525 h54 r180
  text "SIGN" at 2555,1525 h54 r180
  text "GND" at 2680,1525 h54 r180
  text "24V" at 4560,1520 h54 r180
  text "SIGN" at 4700,1520 h54 r180
  text "GND" at 4825,1520 h54 r180
  text "3.3V" at 665,1295 h70
  text "24V" at 2355,1245 h70
  text "24V" at 3335,1235 h80 r270
  text "GND" at 660,1195 h70
  text "SDA" at 660,1095 h70
  text "5V" at 2360,1080 h70
  text "24V" at 4505,1065 h54
  text "SIGN" at 4610,1065 h54
  text "GND" at 4740,1065 h54
  text "AGND" at 3340,1060 h70 r270
  text "SCL" at 660,995 h70
  text "3.3V" at 2360,935 h70
  text "LOAD" at 670,895 h70
  text "INT2" at 365,850 h80 r270
  text "AGND" at 1990,845 h70
  text "HEU" at 4000,845 h180 r90
  text "5V" at 3335,815 h80 r270
  text "IN5" at 1290,705 h80
  text "IN6" at 1735,700 h80
  text "Automation" at 4200,540 h180 r90
  text "SDA" at 3712,482 h70 r270
  text "BEP" at 4013,481 h70 r270
  text "SCL" at 3613,472 h70 r270
  text "ADC6 --1" at 2060,465 h100
  text "IN1" at 3813,447 h70 r270
  text "IN2" at 3915,445 h70 r270
  text "Line1  >8" at 4472,381 h80
  text "ADC1   >6" at 3066,377 h70
  text "Line9  >16" at 5457,373 h80
  text "IN1" at 2555,370 h70
  text "CH8< 1" at 430,367 h80
  text "Line17 >24" at 6353,364 h80
  text "IN4" at 1205,360 h70
  text "IN3" at 1655,360 h70
  text "IN2" at 2105,360 h70
  text "3.3V" at 2705,360 h70 r90
  text "GND" at 2510,355 h70 r90